# KiCad board OEM_ECU.kicad_pcb (continued)
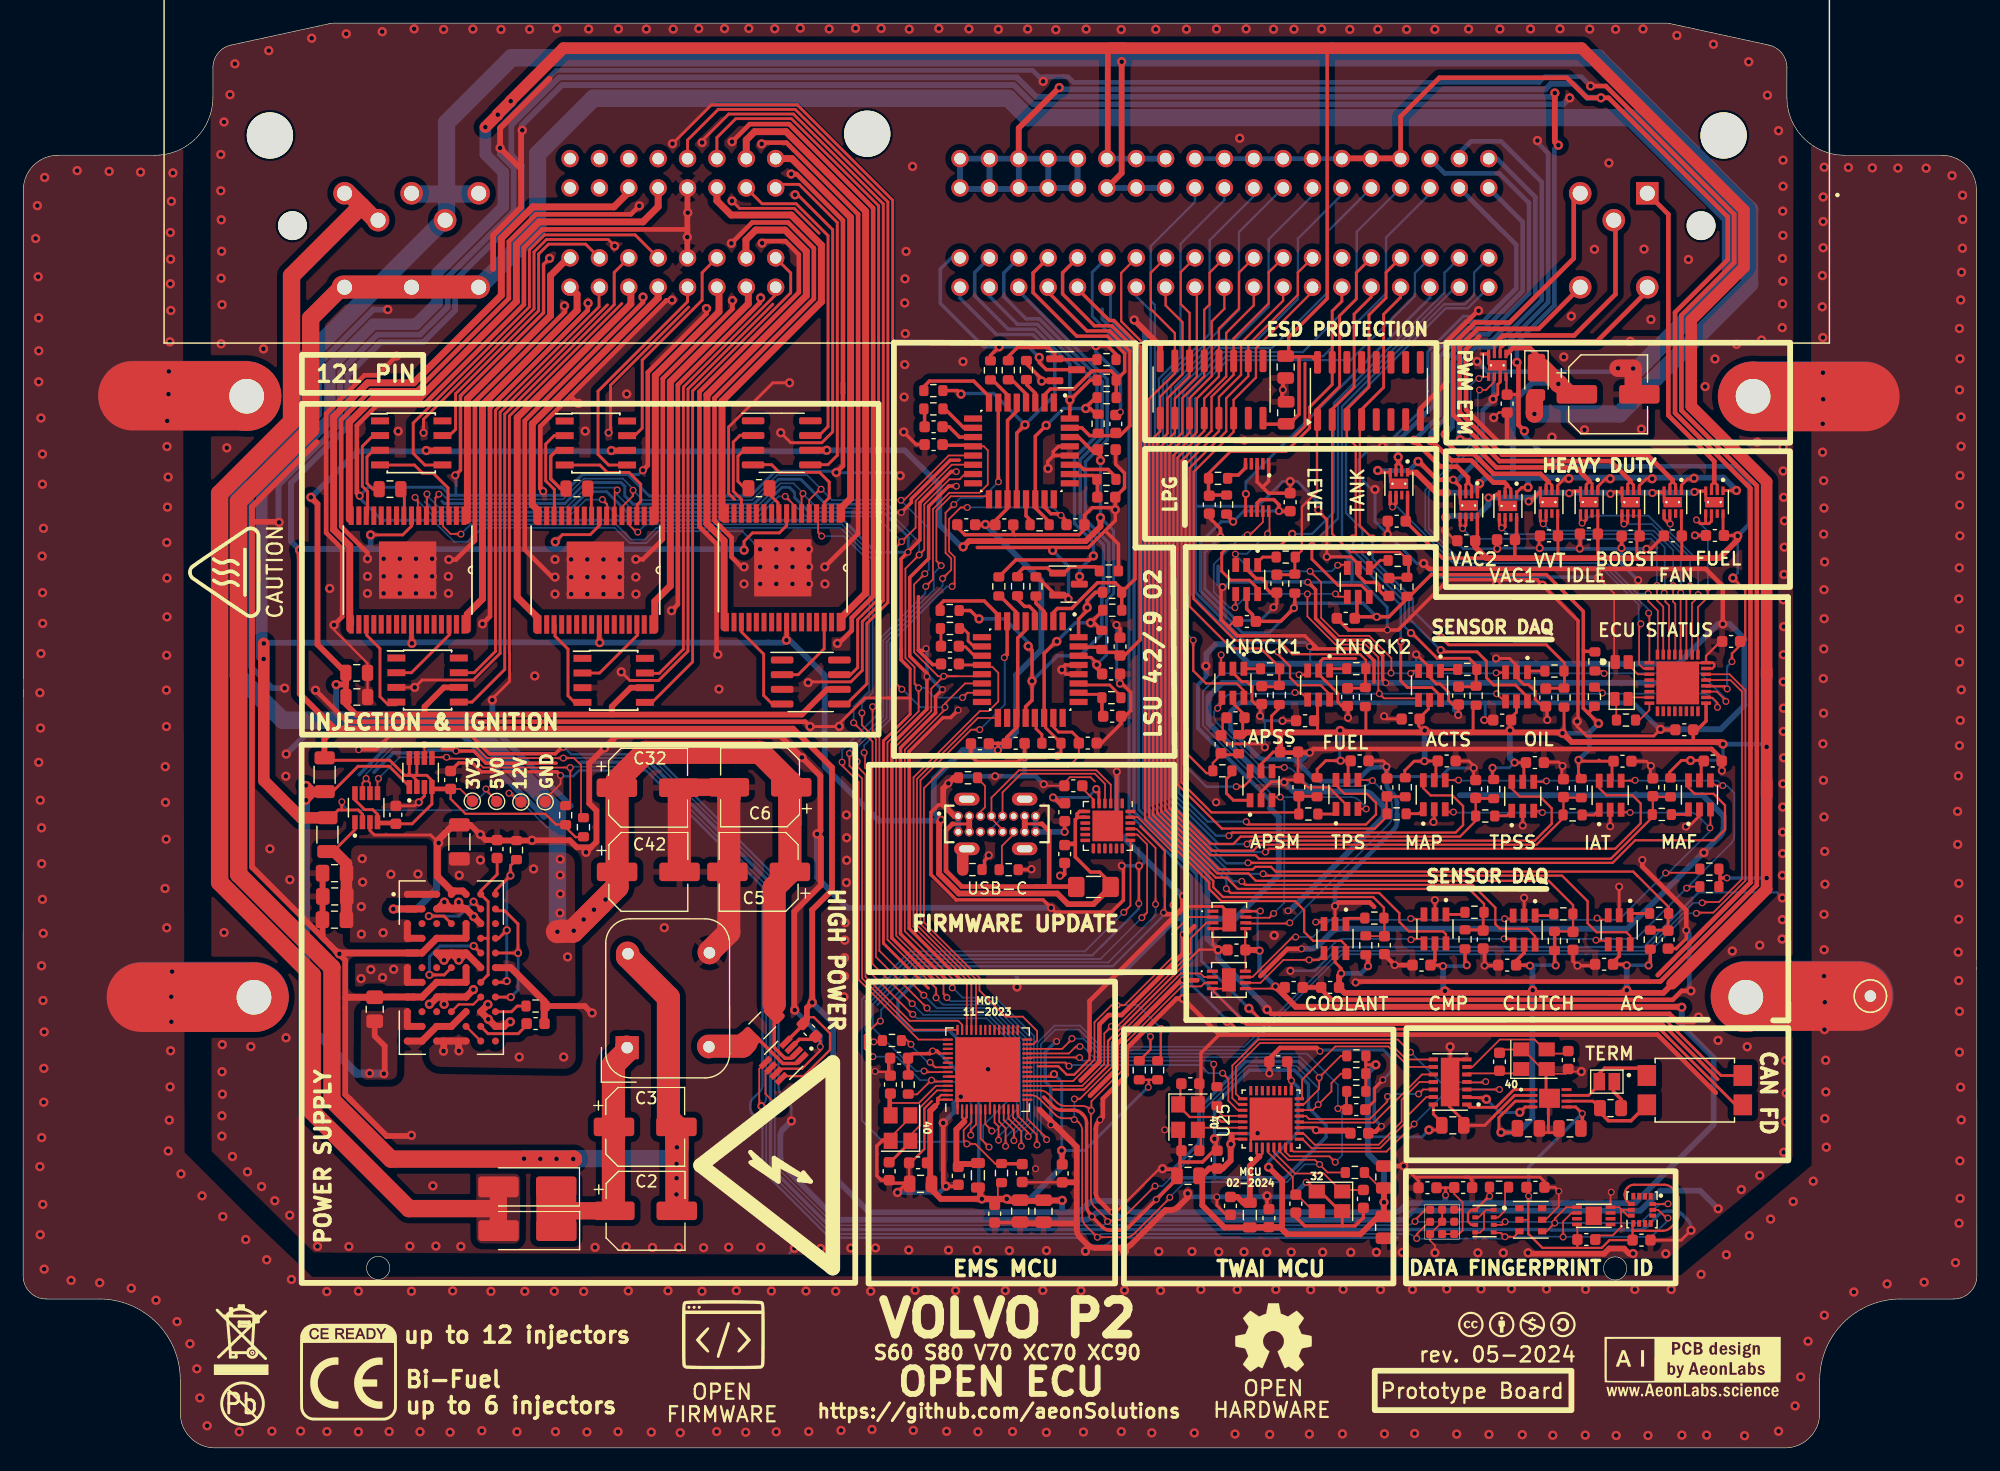
[diagram p0: board, top side]
## Nets (continued)
LSU_HEAT-: CJQ1.3 CJR9.2 U15.7
LSU_IA: CJR1.1 CJR7.2 U15.29 U28.2
LSU_IA2: CJR12.2 CJR14.1 U12.2 U15.28
LSU_IP: CJR1.2 U15.27 U28.32
LSU_IP2: CJR14.2 U12.32 U15.26
LSU_UN: CJC1.2 CJR6.2 U15.10 U28.31
LSU_UN2: CJC9.2 CJR13.2 U12.31 U15.9
LSU_VM: CJR3.2 U15.8 U28.20
LSU_VM2: CJR16.2 U12.20 U15.6
MAF_SENSE+: MAF_C3.2 MAF_R3.1 MAF_R4.1 SP1.5 U15.34
MAF_SENSE-: MAF_SENSE1.6 U15.54
MAP_SENSE+: MAP_C1.2 MAP_R1.1 MAP_R2.1 SP1.12 U15.16
MAP_SENSE-: MAP_SENSE1.6 U15.57
MC33810_1-CS: ESP32S1.9 U5.4
MC33810_2-CS: ESP32S1.10 U6.4
MC33810_3-CS: ESP32S1.7 U18.4
MCP_CLKO_C3: U1.3 U25.8
MCP_INT0_C3: U1.9 U25.16
MCP_INT1_C3: U1.8 U25.25
MCP_INT_C3: U1.4 U25.26
MCP_OSC1: C3XTAL32_2.3 C3XTAL32_C3.1 U1.6
MCP_OSC2: C3XTAL32_2.1 C3XTAL32_C4.1 U1.5
MCP_SPI_CS_C3: U1.13 U25.9
MCP_SPI_SCK_C3: U1.10 U25.12
MCP_SPI_SDI_C3: U1.11 U25.10
MCP_SPI_SDO_C3: U1.12 U25.13
OUTEN_1: R5.1 U5.9
OUTEN_2: R6.1 U6.9
OUTEN_3: R1.1 U18.9
RXD0: ESP32S1.50 U29.21
S3-LSU-CJ_RST: ESP32S1.38 U28.7
S3-LSU-CJ_RST2: ESP32S1.41 U12.7
S3-U1CTS_C3-RST-EN: C3P7_C1.2 C3P7_R1.2 ESP32S1.26 U25.7
S3-U1RTS_C3-BOOT-DTR: C3P15_R1.2 ESP32S1.25 U25.15
S3-U1RXD_C3-U0TXD: C3P28_R1.1 ESP32S1.24
S3-U1TXD_C3-U0RXD: ESP32S1.23 U25.27
S3_BOOST_OUT: KTS1.4 U20.5 U20.6
S3_FAN_OUT: KTS1.2 U19.5 U19.6
S3_FUEL_PUMP_OUT: KTS1.1 U14.5 U14.6
S3_I2C_SCL: ESP32S1.19 I2C_SCL_R2.2 U10.2
S3_I2C_SCL_C3: C3P6_R1.2 ESP32S1.16 I2C_SDA_R3.1 IC_ENS1.2 IMU2.13 INA1.5 INA4.5 INA5.5 U9.4 U11.2 U16.6 U21.3 U25.6
S3_I2C_SCL_C3_5V0: AC_SENSE1.3 CLUTCH_SENSE1.3 COOLANT_SENSE1.3 CRANK_SENSE1.3 I2C_SCL_R1.2 IAT_SENSE1.3 MAF_SENSE1.3 MAP_SENSE1.3 TPSS_SENSE1.3 U11.7
S3_I2C_SDA: ESP32S1.18 I2C_SDA_R2.1 U10.3
S3_I2C_SDA_C3: C3P14_R1.2 ESP32S1.17 I2C_SCL_R3.2 IC_ENS1.1 IMU2.14 INA1.6 INA4.6 INA4.7 INA5.6 U9.3 U11.3 U16.5 U21.4 U25.14
S3_I2C_SDA_C3_5V0: AC_SENSE1.4 CLUTCH_SENSE1.4 COOLANT_SENSE1.4 CRANK_SENSE1.4 I2C_SDA_R1.1 IAT_SENSE1.4 MAF_SENSE1.4 MAP_SENSE1.4 TPSS_SENSE1.4 U11.6
S3_IDLE_OUT: KTS1.3 U26.5 U26.6
S3_LPG_TANK_VALVE: KTS1.10 U32.5 U32.6
S3_SPI2-MISO: ESP32S1.13 U5.7 U6.7 U12.14 U18.7 U28.14
S3_SPI2-MOSI: ESP32S1.11 U5.6 U6.6 U12.15 U18.6 U28.15
S3_SPI2-SCK: ESP32S1.12 U5.5 U6.5 U12.13 U18.5 U28.13
S3_VAC1_OUT: KTS1.7 U30.5 U30.6
S3_VAC2_OUT: KTS1.6 U23.5 U23.6
S3_VVT_OUT: KTS1.5 U27.5 U27.6
SPICLK: ESP32S1.33
SPICS0: ESP32S1.32
SPICS1: ESP32S1.28
SPID: ESP32S1.35
SPIHD: ESP32S1.30
SPIQ: ESP32S1.34
SPIWP: ESP32S1.31
TPS_SENSE+: SP1.3 TPS_C3.2 TPS_R3.1 TPS_R4.1 U15.36
TPS_SENSE-: TPS_SENSE1.6 U15.58
TPSS_SENSE+: SP1.4 TPSS_C3.2 TPSS_R3.1 TPSS_R4.1 U15.35
TPSS_SENSE-: TPSS_SENSE1.6 U15.56
TXD0: S3P49_R1.1 U29.20
USB_5V0F: J3.A4 J3.A9 J3.B4 J3.B9 PWR_FUSE1.2
USB_D+: J3.A6 J3.B6 U29.3
USB_D-: J3.A7 J3.B7 U29.4
VACUUM1-OUT: U15.62 U30.2 U30.3
VACUUM2-OUT: U15.79 U23.2 U23.3
VVT-OUT: U15.81 U27.2 U27.3
Net-(AC_SENSE1-VIN+): AC_R2.2 AC_SENSE1.1
Net-(ACC_PEDAL_M_SENSE1-VIN+): ACC_PEDAL_M_SENSE1.1 ACPM_R2.2
Net-(ACC_PEDAL_S_SENSE2-VIN+): ACC_PEDAL_S_SENSE2.1 ACPS_R4.2
Net-(ACTS_SENSE1-VIN+): ACTS_R2.2 ACTS_SENSE1.1
Net-(CJC2-Pad2): CJC2.2 CJR4.2
Net-(CJC10-Pad2): CJC10.2 CJR15.2
Net-(CJQ1-G): CJQ1.1 CJR10.1 CJR11.1
Net-(CJQ2-G): CJQ2.1 CJR20.1 CJR21.1
Net-(CLUTCH_SENSE1-VIN+): CLU_R4.2 CLUTCH_SENSE1.1
Net-(COOLANT_SENSE1-VIN+): COOL_R2.2 COOLANT_SENSE1.1
Net-(CRANK_SENSE1-VIN+): CRA_R4.2 CRANK_SENSE1.1
Net-(D1-K): C2.1 C3.1 D1.1 D11.1 HLL1.1
Net-(ESP32S1-U0TXD/PROG/GPIO43): ESP32S1.49 S3P49_R1.2
Net-(ESP32S1-VDD3P3-Pad2): ESP32S1.2 ESP32S1.3 S3P2_C2.1 S3P2_L1.2
Net-(ESP32S1-XTAL_N): ESP32S1.53 S3_XTAL40_1.3 S3_XTAL40_C2.1
Net-(ESP32S1-XTAL_P): ESP32S1.54 S3_XTAL40_1.1 S3_XTAL40_C1.1
Net-(FUEL_LPG_R2-Pad2): FUEL_LPG_R2.2 U2.5
Net-(FUEL_SENSE1-VIN+): FUEL_R4.2 FUEL_SENSE1.1
Net-(FUEL_SENSE2-VIN+): FUEL_R2.2 FUEL_SENSE2.1
Net-(IAT_SENSE1-VIN+): IAT_R2.2 IAT_SENSE1.1
Net-(J3-CC1): J3.A5 USB_PLUG_R3.1
Net-(J3-CC2): J3.B5 USB_PLUG_R4.1
Net-(J3-SHIELD): J3.S1 USB_PLYG_R2.1
Net-(JP4-Pad2): JP4.2 R2.2
Net-(KNOCK1_SENSE1-VIN+): KNOCK1_R1.2 KNOCK1_SENSE1.1
Net-(KNOCK2_SENSE1-VIN+): KNOCK2_R2.2 KNOCK2_SENSE1.1
Net-(LED2-RA): LED2.3 RGB_R1.2
Net-(MAF_SENSE1-VIN+): MAF_R4.2 MAF_SENSE1.1
Net-(MAP_SENSE1-VIN+): MAP_R2.2 MAP_SENSE1.1
Net-(TPS_SENSE1-VIN+): TPS_R4.2 TPS_SENSE1.1
Net-(TPSS_SENSE1-VIN+): TPSS_R4.2 TPSS_SENSE1.1
Net-(U3-IN_A): U3.2 U5.14
Net-(U3-IN_B): U3.4 U5.3
Net-(U4-IN_A): U4.2 U6.14
Net-(U4-IN_B): U4.4 U6.3
Net-(U5-GD2): U5.30 U7.2
Net-(U5-GD3): U5.19 U7.4
Net-(U6-GD2): U6.30 U8.2
Net-(U6-GD3): U6.19 U8.4
Net-(U9-CSB): BMPR1.1 U9.2
Net-(U12-CF): CJC14.2 CJR19.1 U12.26
Net-(U12-CM): CJC10.1 U12.11
Net-(U12-OSZ): CJR18.2 U12.3
Net-(U12-RF): CJR19.2 U12.27
Net-(U12-RM): CJR15.1 U12.10
Net-(U12-RS): CJR16.1 U12.8
Net-(U12-UP): CJR12.1 CJR13.1 CJR17.2 U12.22
Net-(U12-US): CJR17.1 U12.21
Net-(U17-IN_A): U17.2 U18.14
Net-(U17-IN_B): U17.4 U18.3
Net-(U18-GD2): U18.30 U22.2
Net-(U18-GD3): U18.19 U22.4
Net-(U24-COMP1): U24.B7 U24.E7 U24.H7
Net-(U24-FB1): MPR8.1 U24.A7 U24.D7 U24.G7
Net-(U24-FB4): MPR7.1 U24.J7
Net-(U24-INTVCC1): U24.B6 U24.C4
Net-(U24-INTVCC2): U24.E6 U24.F4
Net-(U24-INTVCC3): U24.H6 U24.J4
Net-(U24-INTVCC4): U24.K5 U24.L6
Net-(U24-TRACK/SS1): LTM_C4.2 U24.A6 U24.D6 U24.G6
Net-(U24-TRACK/SS4): LTM_C2.2 U24.K6
Net-(U25-U0TXD): C3P28_R1.2 U25.28
Net-(U25-VDD3P3): C3_P2_L1.2 C3P2_C1.1 U25.2 U25.3
Net-(U25-XTAL_N): C3XTAL40_1.1 C3XTAL40_C1.1 U25.29
Net-(U25-XTAL_P): C3XTAL40_1.3 C3XTAL40_C2.1 U25.30
Net-(U28-CF): CJC6.2 CJR8.1 U28.26
Net-(U28-CM): CJC2.1 U28.11
Net-(U28-OSZ): CJR2.2 U28.3
Net-(U28-RF): CJR8.2 U28.27
Net-(U28-RM): CJR4.1 U28.10
Net-(U28-RS): CJR3.1 U28.8
Net-(U28-UP): CJR5.2 CJR6.1 CJR7.1 U28.22
Net-(U28-US): CJR5.1 U28.21
Net-(U29-V3): CHC2.2 U29.6
Net-(U31-CANH): FL1.1 JP4.1 U31.7
Net-(U31-CANL): FL1.2 R2.1 U31.6

Pads without a net: ESP32S1 21 22 29 36 37 44 45 47 48; IC_ENS1 6; IMU2 1 2 3 4 9 10 11 12; J3 A8 B8; KTS1 12 13 14 17 18 19 20 21 22 23 24; SP1 1 15; SP2 5 6 7 9 10 11 12 13 14; U2 2 4 7; U3 1 8; U4 1 8; U5 2 10 11 12 13 15 18 20 21 22 23 24 26 27 28 29 31; U6 2 10 11 12 13 15 18 20 21 22 23 24 26 27 28 29 31; U7 1 8; U8 1 8; U10 1; U11 1; U12 1 9 16 18 24 25; U13 9_1 9_2; U14 7 9_1 9_2; U15 38 44 45 46 47 48 63 64 65 66 67 82 86 87 88 89 96 97; U16 1 2 3 7 9; U17 1 8; U18 2 10 11 12 13 15 18 20 21 22 23 24 26 27 28 29 31; U19 7 9_1 9_2; U20 7 9_1 9_2; U21 1 6; U22 1 8; U23 7 9_1 9_2; U24 C2 C3 C7 F2 F3 J2 J3 L7; U25 18 19 20 21 22 23 24; U26 7 9_1 9_2; U27 7 9_1 9_2; U28 1 9 16 18 24 25; U29 1 9 10 11 12 13 14 15 16 17 18 22 24; U30 7 9_1 9_2; U31 8; U32 7 9_1 9_2

## Via types
v1: diameter 0.8, hole 0.4, Top to Bottom, 758 vias
v2: diameter 0.7, hole 0.4, Top to Bottom, 126 vias
v3: diameter 0.6, hole 0.4, Top to Bottom, 244 vias

## Routing (per net, layer and track width the routed paths; a pad name or vN(x,y) marks a point on that pad's centre or on a via; arc(x,y) is an arc through that point)
3V3_PROBE_IN: length 51.8
  Top w0.25: 26.04,56.66 26.66,56.66 28.96,58.96 31.65,58.96 33.39,57.22 INA5.1
  Top w0.5: LTM_C3.1 30.4,35.63 31.26,34.77 31.26,32.21
  Top w0.6: U24.J1 U24.K1 U24.K2
  Top w0.7: 26.01,56.83 25.01,56.83 24.52,57.32 24.52,56.1 ; v1(24.45,56.03) 25.08,56.66 26.04,56.66
  Bottom w0.7: v1(24.45,56.03) v1(24.45,57.3) 24.45,36.78 28.86,32.37 v1(31.19,32.37)
  vias: v1(29.96,32.4)
5V_PROBE_IN: length 18
  Top w0.25: INA4.1 28.69,53.47 26.91,51.69 26.91,51.58
  Top w0.6: U24.G2 U24.G1 U24.F1 ; U24.A3 U24.A1 ; U24.D2 U24.D1 U24.C1
  Top w1: 26.18,51.58 26.91,51.58 27.96,50.53 LTM_C5.1
  vias: v1(29.22,40.59) v1(29.32,50.97) v1(29.24,46.82) v1(29.25,44.44) v1(29.36,48.94) v1(30.06,41.38) v1(31.13,44.56) v1(31.08,40.69) v1(31.8,49.62) v1(32.04,41.4) v1(34.14,49.64)
12V-BAT: length 113.4
  Top w1.5: 41.1,20.74 41.05,20.7 33.37,20.7 25,29.06 25,40.92 16.99,48.93 16.99,82.56 23.21,88.78 23.21,101.39 29.23,107.41 29.27,107.41 ; D11.2 41.1,18.81 D1.2 ; 30.36,106.33 28.03,108.66
12V_PROBE_IN: length 9
  Top w0.3: INA1.1 66.87,33.25 65.69,33.25 63.43,35.51 ER4.1
  Top w2: 59.26,34.75 62.21,34.75 62.51,35.05
+3.3V: length 6.8
  Top w0.25: 92.83,56.99 v2(92.79,56.99) 93.02,56.76 93.02,55.79 93.05,55.76
  Top w0.4: 89.03,56.38 89.05,56.36 v2(89.05,56.27) 89.14,56.27 89.68,55.73 90.07,55.73
  Bottom w0.25: v2(89.05,56.27) 92.07,56.27 v2(92.79,56.99)
+3V3: length 868.7
  Top w0.15: U11.8 105.69,41.24 INA1_C13.2 105.87,43.25 ; 134.4,18.02 134.4,19.29 ; S3P2_C1.1 84.28,21.3 84.28,22.81 ; ENS_C2.2 123.75,21.97 124.47,21.24 124.47,19.55 ; IC_ENS1.7 124.42,20.61 124.47,20.56 124.47,19.55 ; 79.22,34.12 79.96,34.12 ; C3P14_R1.1 116.11,32.38 C3P15_R1.1 ; 124.47,19.55 124.47,18.81 124.16,18.5 IC_ENS1.5 IC_ENS1.4 ; INA1_C5.2 37.79,57 TP1.1 ; 115.99,23.85 117.36,22.48 C3_C1.1 ; v2(108.29,39.92) 108.1,39.73 U11.5 ; 130.11,19.73 U21.2 ; 76.21,32.23 76.55,32.57
  Top w0.2: 130.15,22.36 130.15,18.52 131.38,17.3 136.5,17.3 137.17,17.97 ENS_C3.2 139.17,18.78 ; v2(89.14,32.33) 88.92,32.11 86.84,32.11 ; 105.46,27.22 104.63,27.22 104.5,27.09 104.5,26.72 105.46,26.72 ; v3(106.98,46.44) 106.96,46.42 105.73,46.42 ; U9.6 125.23,19.29 124.94,19.58 124.94,20.32 125.21,20.59 125.57,20.59 ; 79.09,30.23 79.38,30.52 79.96,30.52 ; INA1.8 65.78,32.16 67.5,32.16 69.77,34.43 69.77,35.86 68.38,37.25 67.77,37.25 ; 128.58,91.12 128.26,91.44 128.26,92.62 U13.8 ; v3(109.67,31.77) 109.67,31.2 109.66,31.18 109.66,30.92 ; v3(147.76,68.01) 147.76,68.71 148.91,69.86 148.91,74.18 v1(147.84,75.25) 148.03,75.44 ; 139.17,18.78 139.17,19.35 IMU2.8 ; 139.17,18.78 141.78,18.78 arc(142.16,18.86) 142.48,19.08 142.87,19.46 arc(143.08,19.78) 143.16,20.17 143.16,21.51 arc(143.08,21.89) 142.87,22.22 142.61,22.47 arc(142.29,22.69) 141.91,22.76 139.29,22.76 arc(139,22.71) 138.76,22.54 138.71,22.49 arc(138.55,22.25) 138.49,21.96 138.49,21.85 arc(138.55,21.57) 138.71,21.32 138.94,21.09 IMU2.5 ; 110.36,27.72 111.56,27.72 v2(111.8,27.48) ; I2C_SDA_R2.2 97.34,31.84 ; 97.34,31.84 I2C_SCL_R2.1 ; 97.34,31.84 97.34,31.19 ; 125.6,20.62 125.61,20.62 126.76,21.77 v3(126.8,21.77) 126.8,21.78 BMPR1.2 ; 134.4,18.02 134.4,17.3 134.4,17.3 ; 48.53,52.84 47.77,52.84 47.02,53.58 47.02,53.93 46.08,53.93 45.15,54.85 38.25,54.85 36.96,56.14 INA1_C5.2 ; INA1_C13.2 105.67,43.09 105.67,44.87 105.73,44.92 ; 79.96,30.12 79.19,30.12 ; KTS1.28 145.56,65.88 147.12,65.88 v3(147.35,65.65) ; 88.89,21.6 88.65,21.36
  Top w0.25: v1(121.56,27.5) 122.27,27.5 122.71,27.94 122.71,28.1 121.94,28.87 U1.14 ; v1(62.34,77.65) 62.34,78.42 63.07,79.15 65.39,79.15 66.02,79.78 66.02,80.83 ; INA5.8 33.39,58.32 33.25,58.18 ; 33.25,58.18 34.06,58.18 ; 33.25,58.18 33,58.18 31.7,59.48 26.14,59.48 26.04,59.58 ; 33.25,58.18 33.6,58.18 34.04,57.74 INA5.2 ; 34.06,58.18 34.9,58.18 35.34,57.74 INA5.4 ; 34.06,58.18 34.04,58.2 INA5.7 ; v2(108.29,39.92) 108.37,39.83 INA1_C2.2 ; U14.8 146.99,79 ETMDRV_C6.1 148.23,78.93 v1(148.26,78.89) ; v1(116.97,33.14) 116.11,33.14 C3P15_R1.1 116.1,33.9 C3P14_R1.1 C3P7_R1.1 ; 122.98,22.5 123.73,22.5 ENS_C2.2 ; 122.98,22.5 ENS_C1.2 ; 122.98,22.5 123,22.48 v3(123,21.86) ; INA4.8 28.69,56.05 29.53,55.21 30.23,55.21 30.64,54.8 INA4.4 ; 49.86,80.63 49.86,79.82 49.03,79 46.63,79 v1(46.01,78.38) ; 35.51,57 INA5.4 ; INA5.4 35.34,55.7 33.64,53.99 32.23,53.99 ; 132.65,76.97 132.72,77.04 ETMDRV_C2.1 132.69,78.92 U27.8 ; 143.4,76.97 143.43,77 ETMDRV_C5.1 143.39,78.93 U19.8 ; v1(30.04,78.98) 32.82,78.98 33.58,79.73 U5.8 ; U31.5 134.25,29.49 v3(134.82,28.92) ; 89.85,25.56 v1(89.8,25.72) 89.84,25.57 ; U20.8 139.75,78.89 ETMDRV_C4.1 139.54,78.63 139.54,77.04 139.47,76.97 ; 136.19,78.87 136.16,78.89 U26.8
  Top w0.3: 129.13,76.97 128.99,77.11 128.99,78.91 129.14,79.06 U23.8 ; 136,76.97 136.17,77.14 136.17,79.07 ; INA1.4 67.43,36.58 INA1_C1.2 ; 76.39,33.58 76.91,34.1 78.42,34.1 v3(78.65,34.33) ; v3(78.65,34.33) 78.54,34.44 ; v3(78.65,34.33) 79.01,34.33 79.22,34.12 ; 76.53,33.82 76.53,32.26 S3P52_R1.1 ; 79.09,30.23 79.09,29.8 78.86,29.57 ; 127.24,76.97 122.73,76.97 119.55,80.15 ETMDRV_C9.1 119.71,80.33 U32.8 ; ETMDRV_C8.1 125.75,78.66 U30.8 ; 129.3,91.1 129.28,91.12 128.58,91.12 ; v3(134.82,28.92) 134.82,27.73
  Top w0.4: INA1_C5.2 35.51,57 ; v1(129.17,93.9) 129.3,93.77 129.3,88.48 v1(129.81,87.97) ; v3(109.67,31.77) 109.49,31.95 109.49,33.22 C3P17_C1.1 ; S3P20_C1.1 89.85,25.56 ; 32.18,54.06 30.73,54.06
  Top w0.5: 117.67,22.11 117.67,20.31 117.68,20.3 C3_C2.1 117.19,20.03 115.64,18.48 109.31,18.48 ; v1(148.26,78.89) 148.26,78.56 146.67,76.97 126.53,76.97 125.56,77.94 ETMDRV_C8.1 ; 26.94,62.22 28.34,62.22 ; 26.94,62.22 26.06,63.09 ; 26.94,62.22 26.05,61.33 26.05,59.59 26.04,59.58 ; 28.34,62.22 66.59,62.22 69.94,58.86 69.94,48.25 68.23,46.54 v1(68.23,38.53) 67.77,38.07 67.77,37.02 INA1_C1.2 ; 28.34,62.22 27.35,62.22 ; 117.69,22.19 117.69,22.47 C3_C1.1 ; 26.06,63.09 26.74,62.42 ; 26.06,63.09 23.92,65.24 23.92,77.45 ; 109.31,18.48 108.72,19.07 103.87,19.07 101.96,20.98 101.96,23.25 101.68,23.53 ; 109.31,18.48 108.71,19.08 ; v1(132.75,112.69) 132.45,113 v1(132.45,117.21) ; 103.46,24.18 102.57,24.18 101.88,23.49 101.87,23.49 ; v1(107.7,24.28) 108.87,23.1 108.87,19.24 108.71,19.08 ; 108.71,19.08 106.86,19.08 ; v2(111.8,27.48) 111.84,27.44 114.55,27.44 C3P11_C1.1 ; 104.5,27.09 104.5,26.37 104.42,26.29 104.42,24.86 103.72,24.16 C3_P32_C2.2 103.27,24.15
  Top w0.51: 78.86,29.57 78.44,29.15 78.44,22.75 ; S3P55_C1.2 78.55,22.34 79.35,21.54 v1(82.9,21.54) ; v2(106.92,43.01) 106.86,43.07 INA1_C13.2 ; v1(82.9,21.54) 84.46,21.54 84.48,21.56 ; v1(82.9,21.54) 82.92,21.52 85.03,21.52 v1(85.05,21.54) 85.23,21.36 88.88,21.36 88.9,21.38 ; v1(82.9,21.54) 82.77,21.67 82.77,22.64 ; v1(89.85,21.41) 89.84,21.4 88.79,21.4 ; v1(143.42,38.11) 143.38,38.15 110.05,38.15 v2(108.29,39.92) ; 78.29,22.45 78.29,22.83
  Bottom w0.2: v3(106.98,46.44) 106.75,46.21 106.75,43.18 v2(106.92,43.01) ; v1(148.26,78.89) 148.26,75.67 v1(147.84,75.25) ; v3(147.35,65.65) 147.35,67.6 v3(147.76,68.01)
  Bottom w0.25: v2(89.14,32.33) 89.81,31.66 89.81,25.73 v1(89.8,25.72) 91.78,25.72 97.25,31.19 v3(97.29,31.19) ; 116.28,26.9 120.96,26.9 v1(121.56,27.5)
  Bottom w0.3: v2(111.8,27.48) 111.59,27.69 110.26,27.69 ; 78.56,34.42 v3(78.65,34.33) 79.03,34.33 82.63,30.73 82.63,21.81 v1(82.9,21.54) ; 130.18,21.63 130.18,24.28 v3(134.82,28.92) ; v3(109.67,31.77) 110.24,31.21 110.24,27.3 107.7,24.76 v1(107.7,24.28)
  Bottom w0.4: v1(148.26,78.89) 149.24,79.88 149.24,83.76 148.09,84.91 132.49,84.91 129.81,87.59 v1(129.81,87.97) ; v2(108.29,39.92) 106.91,41.29 106.91,43 v2(106.92,43.01) ; v1(132.75,112.69) 132.41,112.35 132.41,98.86 129.17,95.62 v1(129.17,93.9)
  Bottom w0.5: v3(123,21.86) 122.98,21.84 122.98,21.17 ; 89.84,20.38 89.84,21.4 v1(89.85,21.41) ; 89.84,20.38 73.15,20.38 70.04,23.49 70.04,36.72 v1(68.23,38.53) ; 89.84,20.38 91.03,20.38 arc(91.32,20.44) 91.56,20.6 92.1,21.14 arc(92.34,21.31) 92.63,21.36 94.46,21.36 arc(94.75,21.31) 94.99,21.14 95.53,20.6 arc(95.77,20.44) 96.06,20.38 118.52,20.38 arc(118.9,20.46) 119.22,20.68 119.43,20.88 arc(119.75,21.1) 120.13,21.17 122.98,21.17 ; 29.93,94.66 28.05,92.79 28.05,88.36 23.16,83.47 23.16,78.43 v1(23.91,77.68) 23.99,77.76 30.03,77.76 30.04,77.75 ; 29.93,94.66 30.92,95.65 34.59,95.65 37.35,98.41 37.35,101 43.11,106.76 43.11,110.94 42.22,111.83 42.22,114.42 46.36,118.56 85.93,118.56 87.61,116.87 132.11,116.87 v1(132.45,117.21) ; 29.93,94.66 30.83,95.56 ; v1(46.01,78.38) 46.01,77.81 46.07,77.75 62.25,77.75 v1(62.34,77.65) ; 126.8,21.17 122.98,21.17 ; 126.8,21.17 v3(126.8,21.77) ; 126.8,21.17 130.23,21.17 ; 117.63,20.39 117.63,21.21 v1(117.67,21.25) 117.67,24.07 ; 30.04,77.75 46.96,77.75 ; 30.04,77.75 v1(30.04,78.98) ; 130.23,21.17 139.38,21.17 146.18,27.97 146.18,33.74 143.42,36.5 v1(143.42,38.11) ; 130.23,21.17 130.23,21.75 v3(130.18,21.8)
  Bottom w0.51: 117.67,24.07 116.28,25.46 116.28,32.45 v1(116.97,33.14) ; v1(85.05,21.54) 87.07,21.54 89.8,24.27 v1(89.8,25.72)
  vias: v1(104.43,26.27)
+5V: length 817.4
  Top w0.1: 145.15,64.46 145.22,64.46 145.38,64.3
  Top w0.15: v3(40.02,57) 40.02,56.89 40.97,55.94
  Top w0.2: 144.42,62.31 ACPM_C4.2
  Top w0.25: v1(33.62,69.6) 33.62,69.6 ; 136.26,59.51 136.36,59.41 ; ACC_PEDAL_M_SENSE1.5 107.04,59.14 108.1,60.2 108.22,60.2 ; 134.65,57.9 134.65,58.19 134.49,58.35 v2(134.49,59.51) 134.6,59.4 IAT_C2.2 137.39,59.27 137.39,57.87 IAT_SENSE1.5 ; 108.54,64.28 108.54,63.9 107.95,63.31 107.95,62.06 108.12,61.89 ; TPSS_SENSE1.5 129.77,57.72 129.77,59.11 TPSS_C4.2 v2(128.96,59.28) 128.96,59.26 128.88,59.18 ; 113.74,59.47 113.78,59.43 113.79,59.45 TPS_C4.2 114.57,59.21 114.57,57.88 TPS_SENSE1.5 ; MAP_SENSE1.5 122.16,57.89 122.16,59.26 MAP_C2.2 121.39,59.42 121.25,59.38 121.31,59.42 121.35,59.42 ; v3(27.56,55.89) 27.55,55.88 27.55,55.18 ; U31.3 129.03,29.99 127.61,28.57 127.61,27.28 129.22,27.28 ; FUEL_SENSE2.5 111.92,64.63 111.92,62.12 111.69,61.89 ; v2(113.97,41.04) 113.97,41.48 113.44,42.02 COOLANT_SENSE1.5 ; MAF_SENSE1.5 145.1,57.89 145.1,59.19 MAF_C4.2 145.27,59.47 143.39,59.47 142.36,58.44 142.36,57.96 ; 129.26,64.58 129.13,64.45 129.13,63.64 128.46,62.96 128.57,62.85 v1(128.57,62.06) ; 119.47,57.98 119.47,58.59 120.28,59.4 v2(121.17,59.4) ; INA4.2 29.34,54.82 28.97,55.18 27.55,55.18 ; TPS_R3.2 111.89,58.7 112.64,59.45 v2(113.92,59.45) ; 121.18,61.89 121.01,62.06 ; 106.86,58.54 106.87,58.53 ; 116.47,61.89 116.11,61.89 116.11,64.1 116.15,64.14 ; 113.41,43.14 113.45,43.17 113.46,43.16 ; 127.04,57.83 v2(127.06,58.83) 127.04,58.84 126.99,58.89 ; v1(121.19,62.06) 121.06,62.06 120.67,62.46 120.67,63.06 121.52,63.92 121.52,64.72 ; 27.55,55.18 27.25,55.18 26.57,54.5 26.18,54.5 26.37,54.69 ; 49.85,71.19 U6.25 49.82,71.23 49.86,71.23 ; 125.38,64.14 125.38,61.88 ; 104.57,64.89 104.57,64.45 105.46,63.57 105.46,61.98 105.04,61.56 ; 125.26,61.97 125.18,61.89 ; 120.82,62.03 120.82,61.78 ; 133.24,64.05 133.24,61.93 ; 132.99,61.98 133.08,61.89
  Top w0.3: 90.98,52.4 90.98,54.35 91.13,54.5 ; 90.98,52.4 90.98,52.24 90.97,52.25 ; 90.98,52.4 90.98,51.12 92.29,49.81 93.07,49.81 94.04,48.85 PWR_FUSE1.1 ; 110.39,94.39 110.33,94.33 110.33,89.42 109.5,88.59 SP_C1.1 ; 93.79,111.61 U15.68 ; 121.95,43.5 CRANK_SENSE1.5 ; CRANK_SENSE1.5 122.08,42.15 CRA_C4.2 122.69,41.76 v2(122.78,41.67) ; CRANK_SENSE1.5 121.99,43.54 ; 91.85,55.06 91.35,55.06 91.13,54.83 91.13,54.5 ; 130.23,41.76 CLU_C4.2 129.1,42.13 129.79,42.82 CLUTCH_SENSE1.5 129.69,43.43 ; 33.62,69.6 33.58,69.65 ; 84.31,60.95 83.54,60.95 ; 84.31,60.95 CJC3.2 85.05,61.46 85.92,62.33 85.92,63.14 ; 84.31,60.95 84.31,60.38 v2(84.29,60.36) ; 119.8,73.66 119.8,73.61 118.09,71.89 v2(117.04,71.89) 115.27,71.89 KNOCK2_C2.2 ; 109.43,94.39 111.44,94.39 111.93,93.91 ; 109.43,94.39 110.2,94.39 ; 109.43,94.39 109.43,96.09 112.76,99.42 112.76,120.69 113.16,121.09 ; 94.05,121.09 93.79,120.83 ; v2(140.55,41.73) 140.7,41.88 AC_R1.2 ; 124.73,43.12 CRA_R3.2 124.68,41.9 v2(124.83,41.75) ; 115.33,72.04 115.33,73.5 KNOCK2_SENSE1.5 ; v2(138.66,41.74) 138.57,41.83 AC_C2.2 137.48,42 138.01,42.53 AC_SENSE1.5 137.89,43.44 ; 106.58,71.5 108.74,71.5 v2(109.89,72.65) 109.96,72.73 KNOCK1_R2.2 ; 135.72,68.9 135.06,68.9 134.9,69.06 ; FUEL_LPG_R1.2 104.07,80.69 v2(104.63,80.12) ; 33.58,71.18 33.62,71.23 ; 140.6,43.03 AC_R1.2 ; AC_R1.2 140.62,43.05 ; 82.48,79.85 82.49,79.84 83.17,79.84 v1(83.21,79.88) 83.25,79.84 84.03,79.84 84.03,80.18 85.12,81.27 U12.19 85.12,88.88 85.92,89.68 U12.5 ; KNOCK1_C2.2 106.31,71.78 106.31,72.07 105.8,72.58 KNOCK1_SENSE1.5 ; 91.13,54.5 91.19,54.56 91.85,54.56 ; v3(147.33,49.3) 146.73,49.3 ; 146.73,49.3 146.73,48.49 ; 146.73,49.3 146.73,50.11 ; 144.47,61.06 144.42,61.12 ACPM_C4.2 144.76,62.12 145.52,62.88 KTS1.25 ; U2.8 106.7,81.73 107,82.03 108.15,82.03 108.59,81.59 v2(108.59,81.04) 108.62,81.02 109.75,81.02 ; KNOCK2_R1.2 119.88,73.66 121.76,75.54 131.73,75.54 134.9,72.37 134.9,63.99 v1(136.23,62.67) ; I2C_SDA_R4.2 135.87,64.11 135.33,63.57 ; v2(132.52,41.73) 132.43,41.82 132.43,44.25 ; 86.69,71.51 86.69,70.75 86,70.06 86,63.26 85.89,63.15 ; 108.77,88.56 107.26,88.56 ; 66.02,69.99 65.97,69.95
  Top w0.4: 66.02,71.43 66.02,69.99 ; v1(49.85,69.66) 49.82,69.7 49.82,71.16 ; 90.91,52.25 90.02,52.25 ; v2(116.29,41.66) 116.29,42.46 COOL_R1.2 ; 33.58,69.65 33.58,71.18
  Top w0.5: v1(146.99,60.88) 146.81,61.06 133.91,61.06 133.08,61.89 115.01,61.89 ; 142.58,40.11 141.83,39.36 137.28,39.36 ; 113.85,61.89 115.01,61.89 ; 115.01,61.89 105.77,61.89 105.44,61.56 105.04,61.56 ; 137.28,39.36 123.12,39.36 v1(122.94,39.53) 122.77,39.36 114.26,39.36 COOL_C2.2 113.79,40.86 v2(113.97,41.04) ; 137.28,39.36 138.44,39.36 v1(138.67,39.59) ; 20.93,69.5 20.84,69.59 v1(20.81,69.59) ; v2(79.36,54.34) 79.2,54.18 79.2,49.67 80.91,47.96 89.42,47.96 90.34,47.04 92.55,47.04 PWR_FUSE1.1 ; 93.79,120.83 93.79,111.61 ; 108.69,61.81 108.69,60.37 ; 20.93,68.22 20.92,68.21
  Top w1: 95.2,121.09 46.72,121.09 42.16,116.53 v1(42.16,116.5) 41.05,115.39 v1(41.05,115.33) v1(39.97,114.25) ; 142.58,40.15 150.76,48.33 150.76,57.71 ; 150.76,66.72 150.76,83.58 144.24,90.1 144.24,97.57 148.8,102.13 148.8,107.06 134.78,121.09 94.05,121.09 ; 26.18,54.5 24.04,54.5 20.81,57.73 v1(20.81,69.59) ; 150.76,67.31 150.76,56.38
  Bottom w0.15: 27.55,55.73 28.12,55.16 38.38,55.16 40.02,56.8 v3(40.02,57)
  Bottom w0.25: v2(128.96,59.28) 128.51,58.83 v2(127.06,58.83) ; 113.85,61.89 113.85,59.57 113.79,59.51 113.79,59.45 ; v1(146.99,60.88) 146.99,59.84 146.63,59.48 144.3,59.48 ; 108.59,81.05 105.56,81.05 v2(104.63,80.12) 103.6,80.12 101.78,78.3 101.78,74.16 105.43,70.51 107.75,70.51 v2(109.89,72.65)
  Bottom w0.3: v2(132.52,41.73) 132.49,41.76 130.23,41.76 ; v3(150.76,49.29) 147.34,49.29 v3(147.33,49.3) ; v2(140.55,41.73) 140.54,41.74 v2(138.66,41.74) ; 109.75,72.6 109.8,72.65 v2(109.89,72.65) 109.89,72.74 110.21,73.06 115.87,73.06 v2(117.04,71.89) ; v2(122.78,41.67) 124.75,41.67 v2(124.83,41.75)
  Bottom w0.4: v2(113.97,41.04) 115.67,41.04 v2(116.29,41.66) ; v1(133.11,61.82) 135.38,61.82 v1(136.23,62.67) 135.44,61.88 135.44,60.46 v2(134.49,59.51) ; v1(146.99,60.88) 150.52,60.88 v1(150.76,60.64)
  Bottom w0.5: v2(79.36,54.34) 78.75,54.95 78.75,57.86 81.25,60.36 v2(84.29,60.36) 85.86,61.93 85.86,66.86 88.05,69.05 88.05,75.04 v1(83.21,79.88) ; v1(66,69.87) 66.07,69.87 66,69.94 ; v1(66,69.87) 66.29,69.87 69.31,66.84 69.31,58.93 73.99,54.26 79.02,54.26 79.03,54.27 ; v1(66,69.87) 66,69.94 ; v2(128.96,59.28) 128.56,59.68 128.56,62 ; v1(122.94,39.53) 122.78,39.69 v2(122.78,41.67) ; 130.23,41.76 130.51,41.48 130.51,28.53 129.27,27.29 v1(127.79,27.29) ; 66,69.94 65.73,69.67 49.86,69.67 v1(49.85,69.66) 49.84,69.68 33.7,69.68 v1(33.62,69.6) 33.57,69.65 21.08,69.65 20.92,69.49 ; v2(138.66,41.74) 138.66,39.98 ; U15.68 U15.70 ; 20.97,68.26 20.92,68.21 ; 121.25,59.38 121.18,59.45 121.18,61.89
  Bottom w1: v1(42.16,116.5) 42.16,116.44 v1(41.05,115.33) v1(39.97,114.25) 39.97,111.89 41.52,110.34 41.52,107.37 35.8,101.65 35.8,99.05 33.95,97.2 30.27,97.2 26.5,93.43 26.5,89 20.63,83.13 20.63,68.5 20.83,68.3
  vias: v1(20.8,68.25) v1(113.88,62.06) v1(130.53,39.59) v1(144.18,59.46) v2(130.3,41.71)
+12V: length 560.2
  Top w0.15: v3(42.01,56.63) 42.13,56.63 42.89,55.87 43.15,55.87
  Top w0.25: 91.41,68.39 92.34,68.39 92.83,67.89 v1(92.83,67.75) 92.83,67.42 CJC5.2 ; 38.25,46.67 U24.B5 38.1,46.62 38.05,46.67 ; 35.81,46.67 U24.B3
  Top w0.3: 92.91,86.07 93.16,85.82 v1(93.16,85.41) ; ER4.2 64.94,34.63 65.88,33.7 66.4,33.7 INA1.2 ; 93.09,86.05 92.64,86.05 91.26,87.44 U12.30 ; 94.98,120.04 94.99,120.03
  Top w0.35: 69.47,86.32 v1(69.49,86.3) ; 52.21,86.28 U4.6 ; 27.09,66.05 v1(27.07,66.03) 27.05,66.05 ; 35.98,86.28 35.99,86.29 ; 27.9,67.05 C10.1
  Top w0.5: 34.71,63.44 34.71,64.12 36.38,65.79 U7.6 ; 67.72,86.32 69.47,86.32 ; 94.99,120.03 94.99,110.27 U15.49 ; U22.6 69.51,65.62 67.33,63.44 28.8,63.44 27.92,64.32 C16.1 27.92,67.04 C10.1 ; U8.6 52.53,65.76 50.9,64.13 50.9,63.44 ; C10.1 27.91,66.13 27.83,66.05 27.09,66.05 ; C10.1 27.92,67.06 ; 27.9,67.05 25.45,69.49 25.45,81.66 v1(24.88,82.23) ; v1(93.16,80.47) 93.16,79.71 91.89,78.44 81.78,78.44 v1(81.28,77.94) ; v1(34.86,86.28) 35.98,86.28 ; v1(50.86,86.28) 52.21,86.28
  Top w0.6: 36.43,38.36 v1(36.4,38.37) 36.43,39 ; U24.L3 36.37,35.19 ; 36.37,35.19 37.64,35.19 ; 36.37,35.19 36.37,34.4 36.35,34.38 v1(36.35,34.32) 36.29,34.32 36.36,34.39 ; U24.E5 U24.F6 ; U24.E5 37.68,42.15 37.03,42.8 36.39,42.16 U24.E3 U24.E5 ; v1(42.13,36.86) 42,36.86 41.6,36.46 U24.K7 v1(40.22,37.08) U24.J6 40.19,38.35 v1(40.19,38.36) ; 37.64,34.36 v1(37.68,34.34) 37.64,35.19 ; U24.B3 U24.B5 v1(38.96,45.96) U24.C6 ; 38.25,46.67 38.05,46.67 37.69,47.03 37.33,46.67 36.96,46.67 v1(36.42,47.21) 35.88,46.67 35.81,46.67 ; 36.43,39 35.82,39 35.2,38.38 v1(35.13,38.38) 35.13,38.31 35.18,38.36 ; 36.43,39 U24.H5 38.3,39.01 v1(38.93,39.64) ; 36.43,39 U24.H3 ; 37.64,35.19 U24.L5
  Top w1.5: 130.67,90.85 v1(130.68,89.44) 130.67,89.57
  Top w2: C6.1 66.3,57.03 66.3,54.04 ; 64.95,38.39 64.94,38.4 64.94,48.47 C5.1 66.3,54.04 ; v1(46.2,44.65) 46.57,44.69 47.53,44.69 51.36,48.53 51.36,57.72 53.81,60.17 63.7,60.17 66.3,57.57 66.3,54.04 ; 46.49,44.69 46.53,44.69
  Bottom w0.15: 46.2,53.68 45.28,53.68 42.33,56.63 v3(42.01,56.63)
  Bottom w0.25: v1(93.16,80.47) 94.3,79.33 94.3,73.92 93.69,73.31 93.69,68.61 v1(92.83,67.75)
  Bottom w0.3: v1(93.16,85.41) 93.16,80.48 v1(93.16,80.47)
  Bottom w0.35: 34.47,86.21 34.54,86.28 v1(34.86,86.28) 34.68,86.28 34.61,86.21 ; 69.4,86.21 v1(69.49,86.3) ; 50.79,86.21 v1(50.86,86.28) 50.93,86.21
  Bottom w0.5: 50.93,86.21 69.4,86.21 ; v1(81.28,77.94) 81.15,77.94 79.22,79.87 79.22,83.29 76.22,86.29 69.5,86.29 v1(69.49,86.3) ; 34.47,86.21 28.9,86.21 24.92,82.23 v1(24.88,82.23) ; 27.06,62.94 27.07,62.95 v1(27.07,66.03) ; 50.79,86.21 34.61,86.21 ; U15.49 U15.51
  Bottom w1.5: 50.42,47.55 50.36,47.49 v1(50.36,47.43) 50.31,47.43 47.53,44.65 v1(46.2,44.65) 46.2,55.06 38.32,62.94 22.45,62.94 18.58,66.81 18.58,83.98 24.45,89.85 24.45,94.28 36.61,106.44 36.61,114.63 42.24,120.26 136.14,120.26 145.82,110.58 145.83,110.58 149.29,107.12 149.29,100.69 138.04,89.44 v1(130.68,89.44) ; U15.114 39.32,108.46 33.61,108.46
  vias: v1(36.39,42.18) v1(37.71,49.53) v1(37.66,47.2) v1(37.67,42.19) v1(39.54,50.85) v1(42.9,33.81) v1(44.14,50.08) v1(46.42,46.27) v1(46.44,50.92) v1(46.44,49.55) v1(46.45,47.92) v1(46.74,33.81) v1(47.08,42.47) v1(47.61,44.74) v1(48.47,45.71) v1(49.36,46.56) v1(94.99,119.91)
GND: length 4499.6
  Top w0.15: v1(134.74,32.55) 134.74,32.56 133.56,32.56 133.37,32.37 131.75,32.37 131.75,32.39 129.68,34.46 127.86,34.46 127.66,34.26 ; v1(122.08,16.88) 122.08,17.51 121.66,17.93 IC_ENS1.3 122.7,19.53 IC_ENS1.9 IC_ENS1.8 ; v1(136.24,75.27) 137.58,73.93 137.58,67.99 ; 112.24,16.79 112.33,16.89 ; 138.23,20.59 138,20.82 U16.4 137.26,21.89 137.29,21.92 ; 138.23,20.59 138.73,20.09 IMU2.7 ; 138.23,20.59 IMU2.6 ; 138.23,20.59 138.17,20.53 138.17,19.1 137.45,18.38 136.31,18.38 AUC1.1 ; 102.84,39.73 102.96,39.61 102.96,39.46 v3(105.46,36.96) ; 109.21,62.95 109.26,62.9 FUEL_C2.1 110.17,62.81 ; U21.5 131.64,19.73 132.79,20.88 v3(132.79,22.2) ; 45.31,55.91 45.31,56.28 46.47,57.44 v3(46.47,58.17) ; 126.33,20.42 126.33,18.97 125.98,18.62 125.57,18.62 ; 126.33,20.42 126.49,20.58 127.07,20.58 ; 126.33,20.42 125.75,19.84 ; 103.13,39.72 103.81,39.72 ; 83.6,32.12 83.6,29.28 ; 88.23,57.47 88.25,57.45 v2(88.25,57.41) 88.29,57.41 88.42,57.28 CHC2.1 90.04,57.53 90.52,58.02 92.3,58.02 92.68,57.64 ; 76.72,28.58 74.92,26.78 ; 101.85,29.71 101.99,29.71
  Top w0.2: KTS1.32 145.52,68.51 146.77,69.76 ACPM_C5.1 ; 142.7,66.21 142.74,66.17 KTS1.33 ; v2(108.12,72.71) 108.12,72.57 108.2,72.65 ; 145.32,67.9 144.62,67.9 ; 104.19,44.92 102.81,44.92 ; 80.8,30.35 80.8,29.42 ; 78.57,29.99 77.93,29.36 77.93,25.86 76.61,24.54 ; 103.49,61.51 103.72,61.75 103.72,62.97 103.91,63.15 ; 76.61,24.71 76.61,23.11 76.34,22.83 76.28,22.83 ; ETMDRV_C8.2 123.85,78.47 v2(122.94,79.38) ; INA1_C1.1 68.93,35.19 68.93,34.38 67.35,32.8 65.5,32.8 INA1.7 ; 104.2,71.01 104.68,71.49 KNOCK1_C2.1 ; U10.4 102.88,43.54 v1(103.33,43.08) 103.31,43.1 101.7,43.1 99.44,40.84 99.44,40.83 93.81,35.2 93.81,33.08 91.72,30.99 89.04,30.99 ; v2(96.49,50.36) 96.49,50.21 96.48,50.2 96.48,47.1 v3(96.47,47.09) ; 92.21,34.32 92.21,33.61 90.88,32.28 90.24,32.28 89.52,33.01 87.73,33.01 ; v1(26.88,71.19) 26.88,70.77 29.78,67.87 C10.2 29.78,64.97 C16.2 ; 145.19,67.92 146.1,67.92 146.23,67.79 146.23,67.59 146.06,67.42 KTS1.31 ; v3(98.61,46.3) 98.72,46.41 98.72,51.66 96.61,53.76 96.61,53.76 ; v2(127.46,77.78) 127.45,77.79 ETMDRV_C7.2 ; 33.95,65.81 33.93,65.79 v1(33.86,65.79) U7.3 ; v3(94.21,20.39) 94.49,20.39 98.25,24.15 v1(98.52,24.15) ; 128.58,89.57 127.61,89.57 v1(127.16,89.12) ; TPS_SENSE1.2 114.47,55.58 112.92,57.13 111.11,57.13 TPS_C3.1 110.24,58 ACPM_C2.1 ; v1(106.75,27.22) 106.16,26.63 U25.1 ; 86.03,22.99 86.05,22.97 S3P20_C1.2 ; 73.76,32.53 74.78,32.53 ; 79.96,32.12 83.6,32.12
  Top w0.25: 120.34,23.42 124.67,23.42 ; 120.34,23.42 120.66,23.1 ENS_C1.1 ; 120.34,23.42 v1(119.38,24.38) ; 124.67,23.42 125.02,23.42 125.3,23.15 ENS_C2.1 ; 124.67,23.42 131.16,23.42 131.55,23.04 131.55,22.54 132.45,22.54 v3(132.79,22.2) ; 115.45,76.13 115.45,76.44 114.81,77.08 v2(112.73,77.08) 112.73,80.29 112.02,81 ; ACPM_C4.1 141.71,62.12 141.7,62.13 ; 131.34,64.17 130.74,64.77 130.74,65.46 130.18,66.02 129.78,66.02 129.13,66.67 ; 114.56,64.17 114.58,62.93 114.56,63.01 ; 114.56,64.17 114.56,63.55 ; 114.56,64.17 114.03,64.17 113.68,64.52 113.68,65.28 112.6,66.36 112.59,66.36 112.02,66.93 FUEL_SENSE2.2 112.18,67.4 112.18,68.05 112.41,68.28 115.22,68.28 ; 74.77,64.87 76.69,64.87 ; 74.77,64.87 72.79,64.87 70.32,62.4 v1(68.05,62.4) ; 74.77,64.87 75.19,64.87 75.19,68.23 ; 76.5,67.59 76.7,67.39 76.7,63.48 74.39,61.17 74.39,43.65 78.28,39.76 ; v1(134.37,62.84) 134.37,62.4 135.19,61.59 141.01,61.59 v1(141.58,62.16) ; v1(51.72,67.13) 52.46,66.39 54.95,66.39 57.49,68.92 57.49,91.6 64.83,98.94 ; 131.89,27.27 131.13,27.27 131.12,27.28 ; 131.89,27.27 131.89,29.7 131.69,29.9 131.69,32.3 131.75,32.37 ; 131.89,27.27 132.73,27.27 ; v3(117.57,31.83) 116.87,31.13 116.87,30.03 116.1,29.26 C3P7_C1.1 ; 131.75,64.04 131.75,63.16 ; 109.05,57.85 v2(109.05,57.58) 109.25,57.78 110.17,57.78 TPS_C3.1 ; v1(144.22,18.82) 143.38,17.97 ENS_C3.1 ; AC_SENSE1.2 v2(138.01,48.54) ; v1(65.51,87.82) 66.38,86.95 69.06,86.95 70,87.89 70,105.38 66.98,108.4 v1(66.75,108.4) 66.71,108.4 ; TPS_C4.1 117.61,59.43 117.88,59.16 v2(117.88,58.92) ; v1(35.93,52.33) 35.24,53.02 30.37,53.02 29.99,53.4 INA4.3 ; U24.C5 38.28,45.33 ; v1(67.88,66.2) 67.95,66.27 71.57,66.27 72.56,67.26 72.56,71.48 74.38,73.3 74.38,107.61 66.6,115.39 61.02,115.39 58.71,113.08 v1(58.71,112.92) ; v2(140.75,58.99) 140.35,59.4 140.09,59.4 140.09,59.4 IAT_C2.1 ; v2(140.75,58.99) 140.75,58.9 140.71,58.86 140.71,57.89 ; v2(140.75,58.99) 140.84,58.99 140.74,58.89 ; 75.19,80.84 75.27,80.92 v3(75.94,80.92) ; v2(117.88,58.92) 117.88,58.84 117.89,58.83 117.89,57.92 ; v2(117.88,58.92) 117.8,58.92 117.86,58.86 ; 103.49,61.51 104.1,60.9 107.07,60.9 v2(107.37,60.6) ; 104.04,20.16 103.22,20.97 v3(103.22,21.71) ; 62.77,86.32 62.34,86.32 61.81,85.79 61.81,83.61 62.4,83.02 R1.2 ; 122.1,47.26 122.08,47.24 CRANK_SENSE1.2 ; v1(33.86,65.79) 34.5,66.42 38.93,66.42 41.24,68.74 41.24,89.59 50.53,98.88 ; v2(133.11,58.99) 133.11,58.91 133.05,58.85 133.05,57.67 ; v2(133.11,58.99) 133.19,58.99 133.1,58.9 ; v2(133.11,58.99) 132.78,59.33 131.54,59.33 TPSS_C4.1 ; 123.32,32.52 123.32,29.53 124.42,28.43 124.61,28.43 ; 75.19,66.16 75.19,68.23 ; 75.19,68.23 75.19,107.93 66.93,116.19 59.52,116.19 v1(56.15,112.82) ; 51.77,98.99 42.04,89.26 42.04,68.76 42.06,68.74 42.06,66.31 40.51,64.76 ; C4.2 126.39,27.9 127.21,28.72 127.21,28.74 128.96,30.49 U31.2 ; v2(125.43,58.81) 125.43,58.76 125.42,58.77 125.42,57.78 ; v2(125.43,58.81) 125.43,59.01 125.02,59.42 MAP_C2.1 ; v2(125.43,58.81) 125.38,58.81 125.4,58.79 ; 57.55,98.69 50.79,91.93 50.79,87.99 v2(50.63,87.82) ; 110.85,93.82 110.84,93.81 110.84,88.39 109.59,87.14 v2(105.59,87.14) ; v2(137.23,53.77) IAT_SENSE1.2 137.4,55.03 ; U1.15 v1(123.39,34.7) 123.39,34.84 ; MAP_SENSE1.2 122.02,54.21 ; 104.57,67.4 104.57,67.09 105.38,66.28 105.83,66.28 106.26,65.85 106.26,64.64 106.57,64.34 107.17,64.34 106.96,64.13 v2(106.96,63.31) ; 75.22,83.87 75.45,84.1 v1(75.84,84.1) ; v2(108.12,72.71) 108.4,73 KNOCK1_C1.1 ; 110.81,22.94 111.1,22.94 C3XTAL32_1.2 112.16,22.18 113.86,20.48 C3XTAL32_1.4 114.06,19.21 114.07,19.2 ; v1(66.27,92.14) 64.83,92.14 61.01,88.31 61.01,82.55 61.5,82.06 ; 129.68,54.51 129.67,54.52 TPSS_SENSE1.2 129.67,53.65 ; U24.F5 38.31,41.53 ; 126.91,62.96 v2(126.34,62.96) 126.33,62.95 ; v1(61.3,107.87) 61.95,107.23 66.68,107.23 68.83,105.07 ; U10.9 104.3,46.22 103.69,46.84 100.41,46.84 100.24,46.67 ; v2(117.68,63.29) 117.91,63.06 119.12,63.06 ; v2(113.44,46.87) COOLANT_SENSE1.2 ; v2(143.78,53.75) 144.02,53.75 144.95,54.67 MAF_SENSE1.2 144.95,55.54 ; v2(129.79,47.59) 129.79,46.69 ; 51.25,104.07 v1(51.15,103.97) 50.59,104.53 45.25,104.53 44.18,103.46 44.18,98.53 34.62,88.98 v2(34.62,87.81) ; 31.09,86.29 30.29,86.29 29.73,85.73 29.73,83.45 30.24,82.94 R5.2 ; 38.31,40.28 U24.G5 ; v2(131.14,77.84) 131.09,77.89 131.09,78.82 ETMDRV_C2.2 ; ACC_PEDAL_M_SENSE1.2 107.04,56.73 107.93,57.62 109.18,57.62 ; v1(109.56,83.6) FUEL_LPG_C2.1 ; v2(120.46,68.63) 120.5,68.63 121.61,67.52 121.61,66.69 122.21,66.09 122.52,66.09 123.26,65.35 123.26,64.66 123.6,64.32 124.02,64.32 124.09,64.25 v2(124.09,63.4) ; v2(127.36,68.29) 128.53,68.29 129.13,67.69 FUEL_SENSE1.2 ; INA1_C4.1 33.85,55.54 34.69,56.39 INA5.3 ; 98.32,93.25 SP1.8 98.32,94.89 ; 38.28,44.1 U24.D5 ; U24.D3 35.78,44.1